# Altium PCB PCBDesign.PcbDoc (part 1 of 8) (continued)
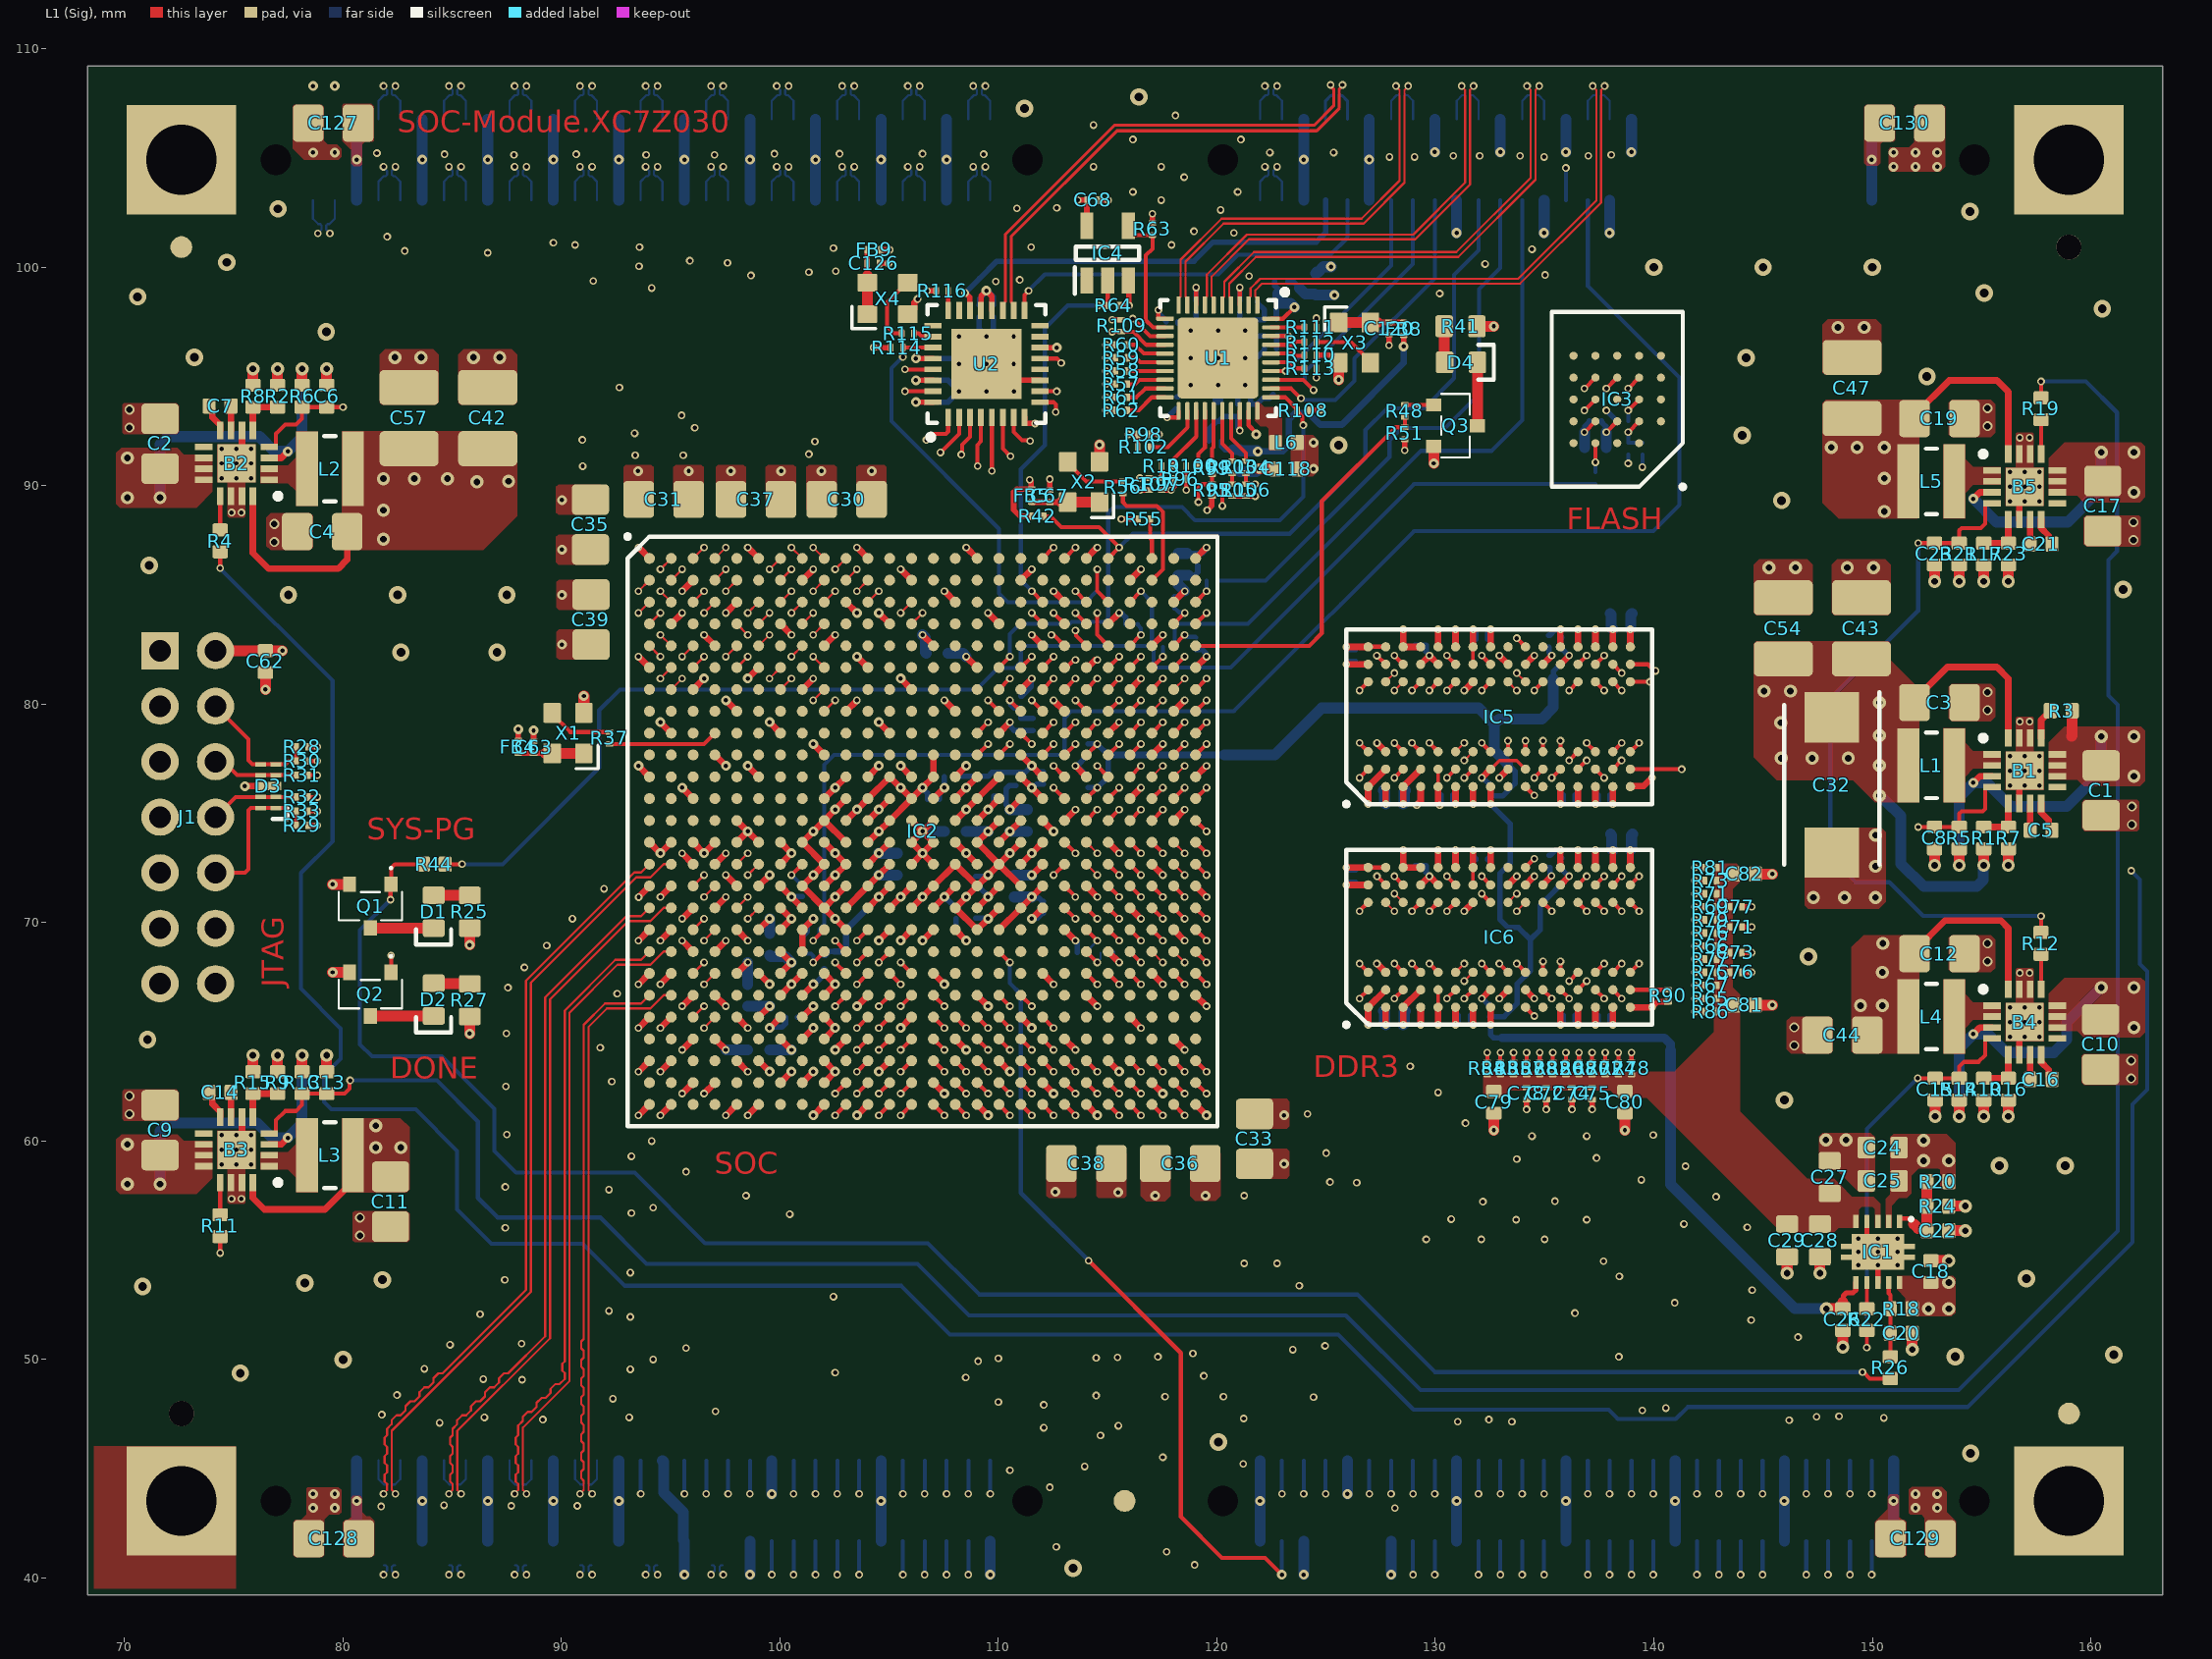
[diagram p0: L1 (Sig) view]
## Classes and differential pairs (continued)
differential pair MGT_TX_2: +MGT_TX_2_P -MGT_TX_2_N
differential pair MGT_TX_1: +MGT_TX_1_P -MGT_TX_1_N
differential pair MGT_TX_0: +MGT_TX_0_P -MGT_TX_0_N
differential pair MGT_RX_3: +MGT_RX_3_P -MGT_RX_3_N
differential pair MGT_RX_2: +MGT_RX_2_P -MGT_RX_2_N
differential pair MGT_RX_1: +MGT_RX_1_P -MGT_RX_1_N
differential pair MGT_RX_0: +MGT_RX_0_P -MGT_RX_0_N
differential pair MGT_REFCLK_1: +MGT_REFCLK_1_P -MGT_REFCLK_1_N
differential pair MGT_REFCLK_0: +MGT_REFCLK_0_P -MGT_REFCLK_0_N
differential pair ETH_MDI3: +ETH_MDI3_P -ETH_MDI3_N
differential pair ETH_MDI2: +ETH_MDI2_P -ETH_MDI2_N
differential pair ETH_MDI1: +ETH_MDI1_P -ETH_MDI1_N
differential pair ETH_MDI0: +ETH_MDI0_P -ETH_MDI0_N
differential pair DDR_DQS3: +DDR_DQS3_P -DDR_DQS3_N
differential pair DDR_DQS2: +DDR_DQS2_P -DDR_DQS2_N
differential pair DDR_DQS1: +DDR_DQS1_P -DDR_DQS1_N
differential pair DDR_DQS0: +DDR_DQS0_P -DDR_DQS0_N
differential pair DDR_CK: +DDR_CK_P -DDR_CK_N

## Components (designator, comment, footprint, x,y, rotation, side; value= is the part's Value field where it differs from the comment)
B1 "TLV62095RGTR" QFN50P300X300X100-17N-D 156.975,76.95 r0 top
B2 "TLV62095RGTR" QFN50P300X300X100-17N-D 75.125,91.025 r180 top
B3 "TLV62095RGTR" QFN50P300X300X100-17N-D 75.125,59.6 r180 top
B4 "TLV62095RGTR" QFN50P300X300X100-17N-D 156.975,65.45 r0 top
B5 "TLV62095RGTR" QFN50P300X300X100-17N-D 156.975,89.95 r0 top
C1 "47u" CAP_0805 160.475,76.05 r90 top
C2 "47u" CAP_0805 71.625,91.925 r270 top
C3 "47u" CAP_0805 153.075,80.075 r180 top
C4 "47u" CAP_0805 79.05,87.9 r0 top
C5 "10p" CAP_0402 157.725,74.225 r180 top
C6 "100n" CAP_0402 79.25,94.1 r270 top
C7 "10p" CAP_0402 74.375,93.65 r0 top
C8 "100n" CAP_0402 152.85,73.875 r90 top
C9 "47u" CAP_0805 71.625,60.5 r270 top
C10 "47u" CAP_0805 160.45,64.425 r90 top
C11 "47u" CAP_0805 82.175,57.225 r90 top
C12 "47u" CAP_0805 153.075,68.575 r180 top
C13 "100n" CAP_0402 79.25,62.675 r270 top
C14 "10p" CAP_0402 74.375,62.225 r0 top
C15 "100n" CAP_0402 152.875,62.375 r90 top
C16 "10p" CAP_0402 157.725,62.825 r180 top
C17 "47u" CAP_0805 160.55,89.075 r90 top
C18 "4u7" CAP_0402 152.675,54.025 r270 top
C19 "47u" CAP_0805 153.075,93.075 r180 top
C20 "100n" CAP_0402 151.325,51.2 r180 top
C21 "10p" CAP_0402 157.725,87.325 r180 top
C22 "100n" CAP_0402 153,55.9 r180 top
C23 "100n" CAP_0402 152.85,86.875 r90 top
C24 "10u" CAP_0603 150.475,59.7 r0 top
C25 "10u" CAP_0603 150.475,58.175 r0 top
C26 "100n" CAP_0402 148.65,51.825 r90 top
C27 "10u" CAP_0603 148.05,58.35 r270 top
C28 "10u" CAP_0603 147.6,55.45 r90 top
C29 "10u" CAP_0603 146.1,55.45 r90 top
C30 "47u" CAP_0805 103.05,89.375 r180 top
C31 "47u" CAP_0805 94.675,89.375 r0 top
C32 "TAJD337K010RNJ" CAPPM7344X310N 148.15,76.3 r270 top
C33 "47u" CAP_0805 121.725,60.1 r270 top
C34 "4u7" CAP_0402 105.375,72.675 r90 bottom
C35 "47u" CAP_0805 91.325,88.225 r270 top
C36 "47u" CAP_0805 118.325,58.975 r0 top
C37 "47u" CAP_0805 98.9,89.375 r180 top
C38 "47u" CAP_0805 114.025,58.975 r180 top
C39 "47u" CAP_0805 91.35,83.875 r270 top
C40 "470n" CAP_0201 112.05,70.7 r270 bottom
C41 "4u7" CAP_0402 110.725,71.675 r90 bottom
C42 "100u" CAP_1210 86.625,93.1 r270 top
C43 "100u" CAP_1210 149.5,83.475 r270 top
C44 "47u" CAP_0805 148.625,64.85 r0 top
C45 "470n" CAP_0201 119.125,86.625 r90 bottom
C46 "4u7" CAP_0402 118.225,86.4 r90 bottom
C47 "100u" CAP_1210 149.075,94.475 r270 top
C48 "470n" CAP_0201 108.05,70.45 r270 bottom
C49 "4u7" CAP_0402 111.325,74.675 r90 bottom
C50 "470n" CAP_0201 110.075,75.8 r0 bottom
C51 "470n" CAP_0201 108.95,70.475 r270 bottom
C52 "470n" CAP_0201 108.95,71.85 r90 bottom
C53 "4u7" CAP_0402 108.025,74.175 r0 bottom
C54 "100u" CAP_1210 145.925,83.475 r270 top
C55 "470n" CAP_0201 112.05,76.625 r90 bottom
C56 "4u7" CAP_0402 107.2,82.325 r180 bottom
C57 "100u" CAP_1210 83.025,93.1 r270 top
C58 "470n" CAP_0201 107.025,75.65 r0 bottom
C59 "4u7" CAP_0402 98.525,66.675 r270 bottom
C60 "4u7" CAP_0402 99.025,64.175 r180 bottom
C61 "4u7" CAP_0402 99.525,69 r90 bottom
C62 "100n" CAP_0402 76.45,81.95 r90 top
C63 "100n" CAP_0201 88.725,78.025 r90 top
C64 "100n" CAP_0201 111.575,79.075 r270 bottom
C65 "470n" CAP_0201 137.325,92.975 r180 bottom
C66 "4u7" CAP_0402 137.325,91.75 r180 bottom
C67 "100n" CAP_0201 112.35,89.525 r90 top
C68 "470n" CAP_0201 114.325,103.075 r180 top
C69 "47n" CAP_0201 114.1,76.45 r270 bottom
C70 "47n" CAP_0201 114.1,77.9 r90 bottom
C71 "47n" CAP_0201 143.75,69.8 r180 top
C72 "47n" CAP_0201 135.075,62.175 r90 top
C73 "47n" CAP_0201 143.75,68.625 r180 top
C74 "47n" CAP_0201 136.25,62.175 r90 top
C75 "470n" CAP_0201 137.175,62.175 r90 top
C76 "470n" CAP_0201 143.75,67.725 r180 top
C77 "470n" CAP_0201 143.75,70.725 r180 top
C78 "470n" CAP_0201 134.175,62.175 r90 top
C79 "4u7" CAP_0402 132.675,61.775 r90 top
C80 "4u7" CAP_0402 138.675,61.775 r90 top
C81 "4u7" CAP_0402 144.15,66.225 r180 top
C82 "4u7" CAP_0402 144.15,72.225 r180 top
C83 "47n" CAP_0201 132.5,76.075 r90 bottom
C84 "47n" CAP_0201 135.775,82.775 r270 bottom
C85 "4u7" CAP_0402 128.125,76.05 r0 bottom
C86 "4u7" CAP_0402 138.5,84.15 r180 bottom
C87 "470n" CAP_0201 129.85,82.7 r0 bottom
C88 "470n" CAP_0201 130.525,75.85 r0 bottom
C89 "470n" CAP_0201 136.125,75.85 r0 bottom
C90 "470n" CAP_0201 137.725,75.85 r0 bottom
C91 "470n" CAP_0201 128.8,82.7 r180 bottom
C92 "470n" CAP_0201 132.125,82.975 r0 bottom
C93 "470n" CAP_0201 126.35,82.225 r270 bottom
C94 "47n" CAP_0201 132.475,65.975 r90 bottom
C95 "47n" CAP_0201 135.775,72.675 r270 bottom
C96 "4u7" CAP_0402 138.525,74.05 r180 bottom
C97 "4u7" CAP_0402 128.125,65.95 r0 bottom
C98 "470n" CAP_0201 132.125,72.875 r0 bottom
C99 "470n" CAP_0201 131.325,65.75 r180 bottom
C100 "470n" CAP_0201 129.85,72.6 r0 bottom
C101 "470n" CAP_0201 126.35,72.125 r270 bottom
C102 "470n" CAP_0201 128.8,72.6 r180 bottom
C103 "470n" CAP_0201 136.125,65.75 r0 bottom
C104 "470n" CAP_0201 137.725,65.75 r0 bottom
C105 "4u7" CAP_0402 122.575,93.675 r270 bottom
C106 "100n" CAP_0201 121.55,93.45 r270 bottom
C107 "100n" CAP_0201 121.05,98.2 r90 bottom
C108 "100n" CAP_0201 119.05,98.2 r90 bottom
C109 "100n" CAP_0201 122.45,96.85 r0 bottom
C110 "100n" CAP_0201 122.447,97.652 r180 bottom
C111 "100n" CAP_0201 117.95,97.5 r0 bottom
C112 "4u7" CAP_0402 122.35,98.45 r0 bottom
C113 "4u7" CAP_0402 124.525,99.225 r270 bottom
C114 "4u7" CAP_0402 121.05,91.15 r90 bottom
C115 "4u7" CAP_0402 120.05,93.45 r270 bottom
C116 "100n" CAP_0201 120.95,93.45 r270 bottom
C117 "100n" CAP_0201 118.175,93.8 r270 bottom
C118 "4u7" CAP_0402 123.175,90.775 r0 top
C119 "100n" CAP_0201 122.45,96.275 r180 bottom
C120 "100n" CAP_0201 127.875,97.2 r270 top
C121 "100n" CAP_0201 109.775,98 r90 bottom
C122 "100n" CAP_0201 109.125,98 r90 bottom
C123 "100n" CAP_0201 107.025,93.825 r180 bottom
C124 "100n" CAP_0201 107.025,94.825 r180 bottom
C125 "100n" CAP_0201 107.025,95.825 r180 bottom
C126 "100n" CAP_0201 104.275,100.175 r180 top
C127 "47u" CAP_0805 79.55,106.6 r180 top
C128 "47u" CAP_0805 79.575,41.8 r180 top
C129 "47u" CAP_0805 151.975,41.8 r0 top
C130 "47u" CAP_0805 151.475,106.6 r0 top
D1 "GREEN" LED_0603_GREEN 84.15,70.5 r90 top
D2 "GREEN" LED_0603_GREEN 84.15,66.475 r90 top
D3 "SP3420-04UTG" uDFN-10 76.575,76.25 r90 top
D4 "GREEN" LED_0603_GREEN 131.175,95.65 r180 top
FB1 "120R @ 100 MHz" IND_0201 110.8,76.575 r270 bottom
FB2 "120R @ 100 MHz" IND_0201 107.825,76.7 r180 bottom
FB3 "120R @ 100 MHz" IND_0201 102.025,68.2 r270 bottom
FB4 "120R @ 100 MHz" IND_0201 88.025,78.05 r270 top
FB5 "120R @ 100 MHz" IND_0201 111.525,89.55 r270 top
FB6 "120R @ 100 MHz" IND_0201 122.95,99.35 r0 bottom
FB7 "120R @ 100 MHz" IND_0201 119.925,92.05 r180 bottom
FB8 "120R @ 100 MHz" IND_0201 128.55,97.175 r90 top
FB9 "120R @ 100 MHz" IND_0201 104.3,100.8 r0 top
IC1 "TPS51200AQDRCRQ1" TPS51200AQDRCRQ1 150.25,54.925 r270 top
IC2 "XC7Z030-2FFG676I" BGA676C100P26X26_2700X2700X324 106.525,74.175 r0 top locked
IC3 "MT25QL128ABA8E12-0SIT" BGA24C100P5X5_600X800X120 138.325,93.95 r180 top
IC4 "SN74LVC1G07DBVT" SOT95P280X145-5N 115,100.646 r90 top
IC5 "MT41K256M16TW-107 IT:P" BGA96C80P9X16_800X1400X120 132.925,79.425 r90 top locked
IC6 "MT41K256M16TW-107 IT:P" BGA96C80P9X16_800X1400X120 132.925,69.325 r90 top locked
J1 "JTAG-14Pin-TH" 14Pin-TH 67.225,66.43 r0 top
J2 "71436-2164" 714362164 137.475,104.925 r180 bottom locked
J3 "71436-2164" 714362164 137.475,43.525 r180 bottom locked
J4 "71436-2164" 714362164 94.125,104.925 r180 bottom locked
J5 "71436-2164" 714362164 94.125,43.525 r180 bottom locked
L1 "VLS3012HBX-1R0M" VLS3012 152.7,77.2 r180 top
L2 "VLS3012HBX-1R0M" VLS3012 79.4,90.775 r0 top
L3 "VLS3012HBX-1R0M" VLS3012 79.4,59.35 r0 top
L4 "VLS3012HBX-1R0M" VLS3012 152.7,65.7 r180 top
L5 "VLS3012HBX-1R0M" VLS3012 152.7,90.2 r180 top
L6 "3u3" IND_0402 123.175,91.975 r0 top
Q1 "T2N7002AK,LM" TBAT54CLM 81.25,70.75 r180 top
Q2 "T2N7002AK,LM" TBAT54CLM 81.25,66.725 r180 top
Q3 "T2N7002AK,LM" TBAT54CLM 130.925,92.75 r270 top
R1 "40k2" RES_0402 155.1,73.875 r270 top
R2 "200k" RES_0402 77,94.1 r90 top
R3 "10k" RES_0402 158.65,79.7 r180 top
R4 "0R" RES_0402 74.375,87.475 r270 top
R5 "500k" RES_0402 153.975,73.875 r90 top
R6 "500k" RES_0402 78.125,94.1 r270 top
R7 "160k" RES_0402 156.225,73.875 r90 top
R8 "160k" RES_0402 75.875,94.1 r270 top
R9 "80k6" RES_0402 77,62.675 r90 top
R10 "110k" RES_0402 155.1,62.375 r270 top
R11 "0R" RES_0402 74.375,56.125 r270 top
R12 "0R" RES_0402 157.725,69.05 r90 top
R13 "500k" RES_0402 78.125,62.675 r270 top
R14 "500k" RES_0402 153.975,62.375 r90 top
R15 "160k" RES_0402 75.875,62.675 r270 top
R16 "160k" RES_0402 156.225,62.375 r90 top
R17 "500k" RES_0402 155.1,86.875 r270 top
R18 "100k" RES_0402 151.325,52.325 r0 top
R19 "0R" RES_0402 157.725,93.525 r90 top
R20 "10k" RES_0402 153,58.15 r0 top
R21 "500k" RES_0402 153.975,86.875 r90 top
R22 "0R" RES_0402 149.75,51.825 r90 top
R23 "160k" RES_0402 156.225,86.875 r90 top
R24 "10k" RES_0402 153,57.025 r180 top
R25 "510R" RES_0603 85.8,70.5 r270 top
R26 "0R" RES_0402 150.825,49.625 r90 top
R27 "510R" RES_0603 85.8,66.45 r270 top
R28 "4k7" RES_0201 78.125,78.05 r0 top
R29 "4k7" RES_0201 78.125,74.45 r0 top
R30 "22R" RES_0201 78.125,77.4 r0 top
R31 "22R" RES_0201 78.125,76.75 r0 top
R32 "22R" RES_0201 78.125,75.75 r0 top
R33 "22R" RES_0201 78.125,75.1 r0 top
R34 "4k7" RES_0201 101.025,71.475 r270 bottom
R35 "4k7" RES_0201 101.025,68.85 r90 bottom
R36 "4k7" RES_0201 101.525,69.65 r180 bottom
R37 "22R" RES_0201 92.2,78.45 r270 top
R38 "100R" RES_0201 100.525,65.675 r180 bottom
R39 "10k" RES_0201 111.025,80.1 r270 bottom
R40 "10k" RES_0201 111.025,79.075 r270 bottom
R41 "510R" RES_0603 131.15,97.3 r0 top
R42 "4k7" RES_0201 111.8,88.6 r180 top
R43 "10k" RES_0201 138.825,91.7 r90 bottom
R44 "0R" RES_0402 84.175,72.675 r0 top
R45 "22R" RES_0201 139.475,91.7 r270 bottom
R46 "4k7" RES_0201 138.55,92.95 r180 bottom
R47 "22R" RES_0201 137.325,90.35 r270 bottom
R48 "10k" RES_0201 128.6,93.425 r270 top
R49 "10k" RES_0201 119.05,82.775 r90 bottom
R50 "10k" RES_0201 118.05,84.65 r270 bottom
R51 "100k" RES_0201 128.6,92.4 r90 top
R52 "10k" RES_0201 117.8,82.625 r180 bottom
R53 "10k" RES_0201 119.8,85.65 r180 bottom
R54 "10k" RES_0201 116.1,83.675 r0 bottom
R55 "10k" RES_0201 116.675,88.475 r0 top
R56 "22R" RES_0201 115.7,89.925 r270 top
R57 "22R" RES_0201 115.625,94.65 r180 top
R58 "22R" RES_0201 115.625,95.25 r180 top
R59 "22R" RES_0201 115.625,95.85 r180 top
R60 "22R" RES_0201 115.625,96.45 r180 top
R61 "22R" RES_0201 115.625,94.05 r180 top
R62 "22R" RES_0201 115.625,93.45 r180 top
R63 "4k7" RES_0201 117.05,101.75 r90 top
R64 "100k" RES_0201 115.275,98.25 r180 top
R65 "49R9" RES_0201 142.6,66.525 r180 top
R66 "49R9" RES_0201 142.6,68.925 r180 top
R67 "49R9" RES_0201 142.6,67.125 r180 top
R68 "49R9" RES_0201 136.575,63.325 r90 top
R69 "49R9" RES_0201 142.6,70.725 r180 top
R70 "49R9" RES_0201 137.175,63.325 r90 top
R71 "49R9" RES_0201 142.6,71.325 r180 top
R72 "49R9" RES_0201 137.775,63.325 r90 top
R73 "49R9" RES_0201 142.6,71.925 r180 top
R74 "49R9" RES_0201 138.375,63.325 r90 top
R75 "49R9" RES_0201 142.6,67.725 r180 top
R76 "49R9" RES_0201 142.6,69.525 r180 top
R77 "49R9" RES_0201 142.6,68.325 r180 top
R78 "49R9" RES_0201 138.975,63.325 r90 top
R79 "49R9" RES_0201 142.6,70.125 r180 top
R80 "49R9" RES_0201 135.975,63.325 r90 top
R81 "49R9" RES_0201 142.6,72.525 r180 top
R82 "49R9" RES_0201 135.375,63.325 r90 top
R83 "49R9" RES_0201 132.975,63.325 r90 top
R84 "49R9" RES_0201 132.375,63.325 r90 top
R85 "49R9" RES_0201 133.575,63.325 r90 top
R86 "49R9" RES_0201 142.6,65.925 r180 top
R87 "49R9" RES_0201 134.175,63.325 r90 top
R88 "49R9" RES_0201 134.775,63.325 r90 top
R89 "100R" RES_0201 133.725,70.925 r90 bottom
R90 "4k7" RES_0201 140.65,66.65 r90 top
R91 "100R" RES_0201 114.95,68.625 r0 bottom
R92 "100R" RES_0201 113.875,68.625 r0 bottom
R93 "240R" RES_0201 135.175,82.875 r270 bottom
R94 "240R" RES_0201 135.2,72.8 r270 bottom
R95 "4k7" RES_0201 119.775,89.8 r90 top
R96 "4k7" RES_0201 118.325,90.3 r0 top
R97 "4k7_DNP" RES_0201 117.475,90.075 r90 top
R98 "4k7" RES_0201 116.65,92.35 r180 top
R99 "22R" RES_0201 119.775,90.8 r270 top
R100 "22R" RES_0201 118.875,90.9 r180 top
R101 "22R" RES_0201 117.75,90.9 r180 top
R102 "22R" RES_0201 116.65,91.775 r180 top
R103 "22R" RES_0201 120.7,90.85 r270 top
R104 "22R" RES_0201 121.325,90.85 r270 top
R105 "1k" RES_0201 120.7,89.8 r270 top
R106 "1k" RES_0201 121.325,89.8 r270 top
R107 "1k" RES_0201 116.9,90.075 r270 top
R108 "1k" RES_0201 123.95,93.45 r180 top
R109 "1k" RES_0201 115.625,97.325 r270 top
R110 "22R" RES_0201 124.275,95.975 r180 top
R111 "2k49" RES_0201 124.275,97.25 r180 top
R112 "22R" RES_0201 124.275,96.575 r180 top
R113 "22R" RES_0201 124.275,95.375 r180 top
R114 "1k" RES_0201 105.35,96.325 r0 top
R115 "22R" RES_0201 105.85,96.975 r0 top
R116 "8k06" RES_0201 107.425,98.925 r0 top
U1 "RTL8211F-CG" QFN-40-0.4-EP 120.05,95.85 r270 top
U2 "USB3320C-EZK-TR" QFN-32-5x5x0.85mm 109.45,95.575 r90 top
X1 "SX2M13.000M20F30TNN" XTAL_2520 90.3,78.675 r90 top
X2 "SX2M13.000M20F30TNN" XTAL_2520 113.9,90.175 r90 top locked
X3 "ECS-2520MV-250-BN-TR" XTAL_2520 126.3,96.55 r270 top
X4 "SX2M13.000M20F30TNN" XTAL_2520 104.925,98.575 r0 top

## Footprints (in the part's own frame and the unit in brackets; to place one, negate y for a bottom-side part, rotate by r counter-clockwise, add the part's x,y. Pads: shape width x height; smd on the part's side, far side on the other; paste and mask are expansions set on the pad)
14Pin-TH [mm]
  rect 1.7x1.7 hole 1: 1(4.4,16.015)
  round 1.7 hole 1: 2(6.94,16.015) 3(4.4,13.475) 4(6.94,13.475) 5(4.4,10.935) 6(6.94,10.935) 7(4.4,8.395) 8(6.94,8.395) 9(4.4,5.855) 10(6.94,5.855) 11(4.4,3.315) 12(6.94,3.315) 13(4.4,0.775) 14(6.94,0.775)
714362164 [mm]
  rect 0.6x2.3 smd mask+0.03: 1(-15.5,-1.85) 2(-15.5,1.85) 3(-14.5,-1.85) 4(-14.5,1.85) 5(-13.5,-1.85) 6(-13.5,1.85) 7(-12.5,-1.85) 8(-12.5,1.85) 9(-11.5,-1.85) 10(-11.5,1.85) 11(-10.5,-1.85) 12(-10.5,1.85) 13(-9.5,-1.85) 14(-9.5,1.85) 15(-8.5,-1.85) 16(-8.5,1.85) 17(-7.5,-1.85) 18(-7.5,1.85) 19(-6.5,-1.85) 20(-6.5,1.85) 21(-5.5,-1.85) 22(-5.5,1.85) 23(-4.5,-1.85) 24(-4.5,1.85) 25(-3.5,-1.85) 26(-3.5,1.85) 27(-2.5,-1.85) 28(-2.5,1.85) 29(-1.5,-1.85) 30(-1.5,1.85) 31(-0.5,-1.85) 32(-0.5,1.85) 33(0.5,-1.85) 34(0.5,1.85) 35(1.5,-1.85) 36(1.5,1.85) 37(2.5,-1.85) 38(2.5,1.85) 39(3.5,-1.85) 40(3.5,1.85) 41(4.5,-1.85) 42(4.5,1.85) 43(5.5,-1.85) 44(5.5,1.85) 45(6.5,-1.85) 46(6.5,1.85) 47(7.5,-1.85) 48(7.5,1.85) 49(8.5,-1.85) 50(8.5,1.85) 51(9.5,-1.85) 52(9.5,1.85) 53(10.5,-1.85) 54(10.5,1.85) 55(11.5,-1.85) 56(11.5,1.85) 57(12.5,-1.85) 58(12.5,1.85) 59(13.5,-1.85) 60(13.5,1.85) 61(14.5,-1.85) 62(14.5,1.85) 63(15.5,-1.85) 64(15.5,1.85)
  round 0.7 hole 1.4 unplated: MH1(-17.2,0) MH2(17.2,0)
  silkscreen extent -17.95,-3.3 17.95,3.3, body extent -17.95,-3.05 17.95,3.05, height 8.27
BGA24C100P5X5_600X800X120 [mm]
  round 0.37 smd mask+0.03: A2(-1,2) A3(0,2) A4(1,2) A5(2,2) B1(-2,1) B2(-1,1) B3(0,1) B4(1,1) B5(2,1) C1(-2,0) C2(-1,0) C3(0,0) C4(1,0) C5(2,0) D1(-2,-1) D2(-1,-1) D3(0,-1) D4(1,-1) D5(2,-1) E1(-2,-2) E2(-1,-2) E3(0,-2) E4(1,-2) E5(2,-2)
  silkscreen extent -3.1,-4 3,4.1, body extent -3,-4 3,4, height 1.2
BGA96C80P9X16_800X1400X120 [mm]
  round 0.426 smd mask+0.03: A1(-3.2,6) A2(-2.4,6) A3(-1.6,6) A7(1.6,6) A8(2.4,6) A9(3.2,6) B1(-3.2,5.2) B2(-2.4,5.2) B3(-1.6,5.2) B7(1.6,5.2) B8(2.4,5.2) B9(3.2,5.2) C1(-3.2,4.4) C2(-2.4,4.4) C3(-1.6,4.4) C7(1.6,4.4) C8(2.4,4.4) C9(3.2,4.4) D1(-3.2,3.6) D2(-2.4,3.6) D3(-1.6,3.6) D7(1.6,3.6) D8(2.4,3.6) D9(3.2,3.6) E1(-3.2,2.8) E2(-2.4,2.8) E3(-1.6,2.8) E7(1.6,2.8) E8(2.4,2.8) E9(3.2,2.8) F1(-3.2,2) F2(-2.4,2) F3(-1.6,2) F7(1.6,2) F8(2.4,2) F9(3.2,2) G1(-3.2,1.2) G2(-2.4,1.2) G3(-1.6,1.2) G7(1.6,1.2) G8(2.4,1.2) G9(3.2,1.2) H1(-3.2,0.4) H2(-2.4,0.4) H3(-1.6,0.4) H7(1.6,0.4) H8(2.4,0.4) H9(3.2,0.4) J1(-3.2,-0.4) J2(-2.4,-0.4) J3(-1.6,-0.4) J7(1.6,-0.4) J8(2.4,-0.4) J9(3.2,-0.4) K1(-3.2,-1.2) K2(-2.4,-1.2) K3(-1.6,-1.2) K7(1.6,-1.2) K8(2.4,-1.2) K9(3.2,-1.2) L1(-3.2,-2) L2(-2.4,-2) L3(-1.6,-2) L7(1.6,-2) L8(2.4,-2) L9(3.2,-2) M1(-3.2,-2.8) M2(-2.4,-2.8) M3(-1.6,-2.8) M7(1.6,-2.8) M8(2.4,-2.8) M9(3.2,-2.8) N1(-3.2,-3.6) N2(-2.4,-3.6) N3(-1.6,-3.6) N7(1.6,-3.6) N8(2.4,-3.6) N9(3.2,-3.6) P1(-3.2,-4.4) P2(-2.4,-4.4) P3(-1.6,-4.4) P7(1.6,-4.4) P8(2.4,-4.4) P9(3.2,-4.4) R1(-3.2,-5.2) R2(-2.4,-5.2) R3(-1.6,-5.2) R7(1.6,-5.2) R8(2.4,-5.2) R9(3.2,-5.2) T1(-3.2,-6) T2(-2.4,-6) T3(-1.6,-6) T7(1.6,-6) T8(2.4,-6) T9(3.2,-6)
  silkscreen extent -4.1,-7 4,7.1, body extent -4,-7 4,7, height 1.2
BGA676C100P26X26_2700X2700X324 [mm]
  round 0.5 smd mask+0.03: A1(-12.5,12.5) A2(-11.5,12.5) A3(-10.5,12.5) A4(-9.5,12.5) A5(-8.5,12.5) A6(-7.5,12.5) A7(-6.5,12.5) A8(-5.5,12.5) A9(-4.5,12.5) A10(-3.5,12.5) A11(-2.5,12.5) A12(-1.5,12.5) A13(-0.5,12.5) A14(0.5,12.5) A15(1.5,12.5) A16(2.5,12.5) A17(3.5,12.5) A18(4.5,12.5) A19(5.5,12.5) A20(6.5,12.5) A21(7.5,12.5) A22(8.5,12.5) A23(9.5,12.5) A24(10.5,12.5) A25(11.5,12.5) A26(12.5,12.5) AA1(-12.5,-7.5) AA2(-11.5,-7.5) AA3(-10.5,-7.5) AA4(-9.5,-7.5) AA5(-8.5,-7.5) AA6(-7.5,-7.5) AA7(-6.5,-7.5) AA8(-5.5,-7.5) AA9(-4.5,-7.5) AA10(-3.5,-7.5) AA11(-2.5,-7.5) AA12(-1.5,-7.5) AA13(-0.5,-7.5) AA14(0.5,-7.5) AA15(1.5,-7.5) AA16(2.5,-7.5) AA17(3.5,-7.5) AA18(4.5,-7.5) AA19(5.5,-7.5) AA20(6.5,-7.5) AA21(7.5,-7.5) AA22(8.5,-7.5) AA23(9.5,-7.5) AA24(10.5,-7.5) AA25(11.5,-7.5) AA26(12.5,-7.5) AB1(-12.5,-8.5) AB2(-11.5,-8.5) AB3(-10.5,-8.5) AB4(-9.5,-8.5) AB5(-8.5,-8.5) AB6(-7.5,-8.5) AB7(-6.5,-8.5) AB8(-5.5,-8.5) AB9(-4.5,-8.5) AB10(-3.5,-8.5) AB11(-2.5,-8.5) AB12(-1.5,-8.5) AB13(-0.5,-8.5) AB14(0.5,-8.5) AB15(1.5,-8.5) AB16(2.5,-8.5) AB17(3.5,-8.5) AB18(4.5,-8.5) AB19(5.5,-8.5) AB20(6.5,-8.5) AB21(7.5,-8.5) AB22(8.5,-8.5) AB23(9.5,-8.5) AB24(10.5,-8.5) AB25(11.5,-8.5) AB26(12.5,-8.5) AC1(-12.5,-9.5) AC2(-11.5,-9.5) AC3(-10.5,-9.5) AC4(-9.5,-9.5) AC5(-8.5,-9.5) AC6(-7.5,-9.5) AC7(-6.5,-9.5) AC8(-5.5,-9.5) AC9(-4.5,-9.5) AC10(-3.5,-9.5) AC11(-2.5,-9.5) AC12(-1.5,-9.5) AC13(-0.5,-9.5) AC14(0.5,-9.5) AC15(1.5,-9.5) AC16(2.5,-9.5) AC17(3.5,-9.5) AC18(4.5,-9.5) AC19(5.5,-9.5) AC20(6.5,-9.5) AC21(7.5,-9.5) AC22(8.5,-9.5) AC23(9.5,-9.5) AC24(10.5,-9.5) AC25(11.5,-9.5) AC26(12.5,-9.5) AD1(-12.5,-10.5) AD2(-11.5,-10.5) AD3(-10.5,-10.5) AD4(-9.5,-10.5) AD5(-8.5,-10.5) AD6(-7.5,-10.5) AD7(-6.5,-10.5) AD8(-5.5,-10.5) AD9(-4.5,-10.5) AD10(-3.5,-10.5) AD11(-2.5,-10.5) AD12(-1.5,-10.5) AD13(-0.5,-10.5) AD14(0.5,-10.5) AD15(1.5,-10.5) AD16(2.5,-10.5) AD17(3.5,-10.5) AD18(4.5,-10.5) AD19(5.5,-10.5) AD20(6.5,-10.5) AD21(7.5,-10.5) AD22(8.5,-10.5) AD23(9.5,-10.5) AD24(10.5,-10.5) AD25(11.5,-10.5) AD26(12.5,-10.5) AE1(-12.5,-11.5) AE2(-11.5,-11.5) AE3(-10.5,-11.5) AE4(-9.5,-11.5) AE5(-8.5,-11.5) AE6(-7.5,-11.5) AE7(-6.5,-11.5) AE8(-5.5,-11.5) AE9(-4.5,-11.5) AE10(-3.5,-11.5) AE11(-2.5,-11.5) AE12(-1.5,-11.5) AE13(-0.5,-11.5) AE14(0.5,-11.5) AE15(1.5,-11.5) AE16(2.5,-11.5) AE17(3.5,-11.5) AE18(4.5,-11.5) AE19(5.5,-11.5) AE20(6.5,-11.5) AE21(7.5,-11.5) AE22(8.5,-11.5) AE23(9.5,-11.5) AE24(10.5,-11.5) AE25(11.5,-11.5) AE26(12.5,-11.5) AF1(-12.5,-12.5) AF2(-11.5,-12.5) AF3(-10.5,-12.5) AF4(-9.5,-12.5) AF5(-8.5,-12.5) AF6(-7.5,-12.5) AF7(-6.5,-12.5) AF8(-5.5,-12.5) AF9(-4.5,-12.5) AF10(-3.5,-12.5) AF11(-2.5,-12.5) AF12(-1.5,-12.5) AF13(-0.5,-12.5) AF14(0.5,-12.5) AF15(1.5,-12.5) AF16(2.5,-12.5) AF17(3.5,-12.5) AF18(4.5,-12.5) AF19(5.5,-12.5) AF20(6.5,-12.5) AF21(7.5,-12.5) AF22(8.5,-12.5) AF23(9.5,-12.5) AF24(10.5,-12.5) AF25(11.5,-12.5) AF26(12.5,-12.5) B1(-12.5,11.5) B2(-11.5,11.5) B3(-10.5,11.5) B4(-9.5,11.5) B5(-8.5,11.5) B6(-7.5,11.5) B7(-6.5,11.5) B8(-5.5,11.5) B9(-4.5,11.5) B10(-3.5,11.5) B11(-2.5,11.5) B12(-1.5,11.5) B13(-0.5,11.5) B14(0.5,11.5) B15(1.5,11.5) B16(2.5,11.5) B17(3.5,11.5) B18(4.5,11.5) B19(5.5,11.5) B20(6.5,11.5) B21(7.5,11.5) B22(8.5,11.5) B23(9.5,11.5) B24(10.5,11.5) B25(11.5,11.5) B26(12.5,11.5) C1(-12.5,10.5) C2(-11.5,10.5) C3(-10.5,10.5) C4(-9.5,10.5) C5(-8.5,10.5) C6(-7.5,10.5) C7(-6.5,10.5) C8(-5.5,10.5) C9(-4.5,10.5) C10(-3.5,10.5) C11(-2.5,10.5) C12(-1.5,10.5) C13(-0.5,10.5) C14(0.5,10.5) C15(1.5,10.5) C16(2.5,10.5) C17(3.5,10.5) C18(4.5,10.5) C19(5.5,10.5) C20(6.5,10.5) C21(7.5,10.5) C22(8.5,10.5) C23(9.5,10.5) C24(10.5,10.5) C25(11.5,10.5) C26(12.5,10.5) D1(-12.5,9.5) D2(-11.5,9.5) D3(-10.5,9.5) D4(-9.5,9.5) D5(-8.5,9.5) D6(-7.5,9.5) D7(-6.5,9.5) D8(-5.5,9.5) D9(-4.5,9.5) D10(-3.5,9.5) D11(-2.5,9.5) D12(-1.5,9.5) D13(-0.5,9.5) D14(0.5,9.5) D15(1.5,9.5) D16(2.5,9.5) D17(3.5,9.5) D18(4.5,9.5) D19(5.5,9.5) D20(6.5,9.5) D21(7.5,9.5) D22(8.5,9.5) D23(9.5,9.5) D24(10.5,9.5) D25(11.5,9.5) D26(12.5,9.5) E1(-12.5,8.5) E2(-11.5,8.5) E3(-10.5,8.5) E4(-9.5,8.5) E5(-8.5,8.5) E6(-7.5,8.5) E7(-6.5,8.5) E8(-5.5,8.5) E9(-4.5,8.5) E10(-3.5,8.5) E11(-2.5,8.5) E12(-1.5,8.5) E13(-0.5,8.5) E14(0.5,8.5) E15(1.5,8.5) E16(2.5,8.5) E17(3.5,8.5) E18(4.5,8.5) E19(5.5,8.5) E20(6.5,8.5) E21(7.5,8.5) E22(8.5,8.5) E23(9.5,8.5) E24(10.5,8.5) E25(11.5,8.5) E26(12.5,8.5) F1(-12.5,7.5) F2(-11.5,7.5) F3(-10.5,7.5) F4(-9.5,7.5) F5(-8.5,7.5) F6(-7.5,7.5) F7(-6.5,7.5) F8(-5.5,7.5) F9(-4.5,7.5) F10(-3.5,7.5) F11(-2.5,7.5) F12(-1.5,7.5) F13(-0.5,7.5) F14(0.5,7.5) F15(1.5,7.5) F16(2.5,7.5) F17(3.5,7.5) F18(4.5,7.5) F19(5.5,7.5) F20(6.5,7.5) F21(7.5,7.5) F22(8.5,7.5) F23(9.5,7.5) F24(10.5,7.5) F25(11.5,7.5) F26(12.5,7.5) G1(-12.5,6.5) G2(-11.5,6.5) G3(-10.5,6.5) G4(-9.5,6.5) G5(-8.5,6.5) G6(-7.5,6.5) G7(-6.5,6.5) G8(-5.5,6.5) G9(-4.5,6.5) G10(-3.5,6.5) G11(-2.5,6.5) G12(-1.5,6.5) G13(-0.5,6.5) G14(0.5,6.5) G15(1.5,6.5) G16(2.5,6.5) G17(3.5,6.5) G18(4.5,6.5) G19(5.5,6.5) G20(6.5,6.5) G21(7.5,6.5) G22(8.5,6.5) G23(9.5,6.5) G24(10.5,6.5) G25(11.5,6.5) G26(12.5,6.5) H1(-12.5,5.5) H2(-11.5,5.5) H3(-10.5,5.5) H4(-9.5,5.5) H5(-8.5,5.5) H6(-7.5,5.5) H7(-6.5,5.5) H8(-5.5,5.5) H9(-4.5,5.5) H10(-3.5,5.5) H11(-2.5,5.5) H12(-1.5,5.5) H13(-0.5,5.5) H14(0.5,5.5) H15(1.5,5.5) H16(2.5,5.5) H17(3.5,5.5) H18(4.5,5.5) H19(5.5,5.5) H20(6.5,5.5) H21(7.5,5.5) H22(8.5,5.5) H23(9.5,5.5) H24(10.5,5.5) H25(11.5,5.5) H26(12.5,5.5) J1(-12.5,4.5) J2(-11.5,4.5) J3(-10.5,4.5) J4(-9.5,4.5) J5(-8.5,4.5) J6(-7.5,4.5) J7(-6.5,4.5) J8(-5.5,4.5) J9(-4.5,4.5) J10(-3.5,4.5) J11(-2.5,4.5) J12(-1.5,4.5) J13(-0.5,4.5) J14(0.5,4.5) J15(1.5,4.5) J16(2.5,4.5) J17(3.5,4.5) J18(4.5,4.5) J19(5.5,4.5) J20(6.5,4.5) J21(7.5,4.5) J22(8.5,4.5) J23(9.5,4.5) J24(10.5,4.5) J25(11.5,4.5) J26(12.5,4.5) K1(-12.5,3.5) K2(-11.5,3.5) K3(-10.5,3.5) K4(-9.5,3.5) K5(-8.5,3.5) K6(-7.5,3.5) K7(-6.5,3.5) K8(-5.5,3.5) K9(-4.5,3.5) K10(-3.5,3.5) K11(-2.5,3.5) K12(-1.5,3.5) K13(-0.5,3.5) K14(0.5,3.5) K15(1.5,3.5) K16(2.5,3.5) K17(3.5,3.5) K18(4.5,3.5) K19(5.5,3.5) K20(6.5,3.5) K21(7.5,3.5) K22(8.5,3.5) K23(9.5,3.5) K24(10.5,3.5) K25(11.5,3.5) K26(12.5,3.5) L1(-12.5,2.5) L2(-11.5,2.5) L3(-10.5,2.5) L4(-9.5,2.5) L5(-8.5,2.5) L6(-7.5,2.5) L7(-6.5,2.5) L8(-5.5,2.5) L9(-4.5,2.5) L10(-3.5,2.5) L11(-2.5,2.5) L12(-1.5,2.5) L13(-0.5,2.5) L14(0.5,2.5) L15(1.5,2.5) L16(2.5,2.5) L17(3.5,2.5) L18(4.5,2.5) L19(5.5,2.5) L20(6.5,2.5) L21(7.5,2.5) L22(8.5,2.5) L23(9.5,2.5) L24(10.5,2.5) L25(11.5,2.5) L26(12.5,2.5) M1(-12.5,1.5) M2(-11.5,1.5) M3(-10.5,1.5) M4(-9.5,1.5) M5(-8.5,1.5) M6(-7.5,1.5) M7(-6.5,1.5) M8(-5.5,1.5) M9(-4.5,1.5) M10(-3.5,1.5) M11(-2.5,1.5) M12(-1.5,1.5) M13(-0.5,1.5) M14(0.5,1.5) M15(1.5,1.5) M16(2.5,1.5) M17(3.5,1.5) M18(4.5,1.5) M19(5.5,1.5) M20(6.5,1.5) M21(7.5,1.5) M22(8.5,1.5) M23(9.5,1.5) M24(10.5,1.5) M25(11.5,1.5) M26(12.5,1.5) N1(-12.5,0.5) N2(-11.5,0.5) N3(-10.5,0.5) N4(-9.5,0.5) N5(-8.5,0.5) N6(-7.5,0.5) N7(-6.5,0.5) N8(-5.5,0.5) N9(-4.5,0.5) N10(-3.5,0.5) N11(-2.5,0.5) N12(-1.5,0.5) N13(-0.5,0.5) N14(0.5,0.5) N15(1.5,0.5) N16(2.5,0.5) N17(3.5,0.5) N18(4.5,0.5) N19(5.5,0.5) N20(6.5,0.5) N21(7.5,0.5) N22(8.5,0.5) N23(9.5,0.5) N24(10.5,0.5) N25(11.5,0.5) N26(12.5,0.5) P1(-12.5,-0.5) P2(-11.5,-0.5) P3(-10.5,-0.5) P4(-9.5,-0.5) P5(-8.5,-0.5) P6(-7.5,-0.5) P7(-6.5,-0.5) P8(-5.5,-0.5) P9(-4.5,-0.5) P10(-3.5,-0.5) P11(-2.5,-0.5) P12(-1.5,-0.5) P13(-0.5,-0.5) P14(0.5,-0.5) P15(1.5,-0.5) P16(2.5,-0.5) P17(3.5,-0.5) P18(4.5,-0.5) P19(5.5,-0.5) P20(6.5,-0.5) P21(7.5,-0.5) P22(8.5,-0.5) P23(9.5,-0.5) P24(10.5,-0.5) P25(11.5,-0.5) P26(12.5,-0.5) R1(-12.5,-1.5) R2(-11.5,-1.5) R3(-10.5,-1.5) R4(-9.5,-1.5) R5(-8.5,-1.5) R6(-7.5,-1.5) R7(-6.5,-1.5) R8(-5.5,-1.5) R9(-4.5,-1.5) R10(-3.5,-1.5) R11(-2.5,-1.5) R12(-1.5,-1.5) R13(-0.5,-1.5) R14(0.5,-1.5) R15(1.5,-1.5) R16(2.5,-1.5) R17(3.5,-1.5) R18(4.5,-1.5) R19(5.5,-1.5) R20(6.5,-1.5) R21(7.5,-1.5) R22(8.5,-1.5) R23(9.5,-1.5) R24(10.5,-1.5) R25(11.5,-1.5) R26(12.5,-1.5) T1(-12.5,-2.5) T2(-11.5,-2.5) T3(-10.5,-2.5) T4(-9.5,-2.5) T5(-8.5,-2.5) T6(-7.5,-2.5) T7(-6.5,-2.5) T8(-5.5,-2.5) T9(-4.5,-2.5) T10(-3.5,-2.5) T11(-2.5,-2.5) T12(-1.5,-2.5) T13(-0.5,-2.5) T14(0.5,-2.5) T15(1.5,-2.5) T16(2.5,-2.5) T17(3.5,-2.5) T18(4.5,-2.5) T19(5.5,-2.5) T20(6.5,-2.5) T21(7.5,-2.5) T22(8.5,-2.5) T23(9.5,-2.5) T24(10.5,-2.5) T25(11.5,-2.5) T26(12.5,-2.5) U1(-12.5,-3.5) U2(-11.5,-3.5) U3(-10.5,-3.5) U4(-9.5,-3.5) U5(-8.5,-3.5) U6(-7.5,-3.5) U7(-6.5,-3.5) U8(-5.5,-3.5) U9(-4.5,-3.5) U10(-3.5,-3.5) U11(-2.5,-3.5) U12(-1.5,-3.5) U13(-0.5,-3.5) U14(0.5,-3.5) U15(1.5,-3.5) U16(2.5,-3.5) U17(3.5,-3.5) U18(4.5,-3.5) U19(5.5,-3.5) U20(6.5,-3.5) U21(7.5,-3.5) U22(8.5,-3.5) U23(9.5,-3.5) U24(10.5,-3.5) U25(11.5,-3.5) U26(12.5,-3.5) V1(-12.5,-4.5) V2(-11.5,-4.5) V3(-10.5,-4.5) V4(-9.5,-4.5) V5(-8.5,-4.5) V6(-7.5,-4.5) V7(-6.5,-4.5) V8(-5.5,-4.5) V9(-4.5,-4.5) V10(-3.5,-4.5) V11(-2.5,-4.5) V12(-1.5,-4.5) V13(-0.5,-4.5) V14(0.5,-4.5) V15(1.5,-4.5) V16(2.5,-4.5) V17(3.5,-4.5) V18(4.5,-4.5) V19(5.5,-4.5) V20(6.5,-4.5) V21(7.5,-4.5) V22(8.5,-4.5) V23(9.5,-4.5) V24(10.5,-4.5) V25(11.5,-4.5) V26(12.5,-4.5) W1(-12.5,-5.5) W2(-11.5,-5.5) W3(-10.5,-5.5) W4(-9.5,-5.5) W5(-8.5,-5.5) W6(-7.5,-5.5) W7(-6.5,-5.5) W8(-5.5,-5.5) W9(-4.5,-5.5) W10(-3.5,-5.5) W11(-2.5,-5.5) W12(-1.5,-5.5) W13(-0.5,-5.5) W14(0.5,-5.5) W15(1.5,-5.5) W16(2.5,-5.5) W17(3.5,-5.5) W18(4.5,-5.5) W19(5.5,-5.5) W20(6.5,-5.5) W21(7.5,-5.5) W22(8.5,-5.5) W23(9.5,-5.5) W24(10.5,-5.5) W25(11.5,-5.5) W26(12.5,-5.5) Y1(-12.5,-6.5) Y2(-11.5,-6.5) Y3(-10.5,-6.5) Y4(-9.5,-6.5) Y5(-8.5,-6.5) Y6(-7.5,-6.5) Y7(-6.5,-6.5) Y8(-5.5,-6.5) Y9(-4.5,-6.5) Y10(-3.5,-6.5) Y11(-2.5,-6.5) Y12(-1.5,-6.5) Y13(-0.5,-6.5) Y14(0.5,-6.5) Y15(1.5,-6.5) Y16(2.5,-6.5) Y17(3.5,-6.5) Y18(4.5,-6.5) Y19(5.5,-6.5) Y20(6.5,-6.5) Y21(7.5,-6.5) Y22(8.5,-6.5) Y23(9.5,-6.5) Y24(10.5,-6.5) Y25(11.5,-6.5) Y26(12.5,-6.5)
  silkscreen extent -13.6,-13.5 13.5,13.6, body extent -13.5,-13.5 13.5,13.5, height 3.24
CAP_0201 [mm]
  rrect25% 0.25x0.35 smd mask+0.05: 1(-0.275,0) 2(0.275,0)
  body extent -0.32,-0.17 0.31,0.16, height 0.34
CAP_0402 [mm]
  rrect25% 0.6x0.7 smd: 1(-0.5,0) 2(0.5,0)
  body extent -0.5,-0.26 0.5,0.26, height 0.37
CAP_0603 [mm]
  rrect25% 0.8x1 smd: 1(-0.75,0) 2(0.75,0)
  body extent -0.8,-0.4 0.8,0.4, height 0.51
CAP_0805 [mm]
  rrect25% 1.4x1.7 smd: 1(-1.143,0) 2(1.143,0)
  body extent -1.15,-0.76 1.15,0.79, height 1.01
CAP_1210 [mm]
  rrect25% 1.6x2.7 smd: 1(-1.4,0) 2(1.4,0)
  body extent -1.6,-1.25 1.6,1.25, height 2.5
CAPPM7344X310N [mm]
  rect 2.3x2.5 smd: 1(-3.1,0) 2(3.1,0)
  silkscreen extent -4.25,-2.17 3.65,2.17, body extent -3.65,-2.17 3.65,2.17, height 3.1
IND_0201 [mm]
  rrect50% 0.25x0.35 smd mask+0.05: 1(-0.3,0) 2(0.3,0)
  body extent -0.3,-0.15 0.3,0.15, height 0.42
IND_0402 [mm]
  rrect25% 0.6x0.7 smd: 1(-0.5,0) 2(0.5,0)
  body extent -0.56,-0.26 0.56,0.26, height 0.67
LED_0603_GREEN [mm]
  rrect25% 0.8x1 smd: A(0.75,0) K(-0.75,0)
  silkscreen extent -1.5,-0.8 -0.8,0.8, body extent -0.8,-0.4 0.8,0.4, height 0.6
QFN50P300X300X100-17N-D [mm]
  rect 0.8x0.3 smd mask+0.03: 1(-1.5,0.75) 2(-1.5,0.25) 3(-1.5,-0.25) 4(-1.5,-0.75) 9(1.5,-0.75) 10(1.5,-0.25) 11(1.5,0.25) 12(1.5,0.75)
  rect 0.3x0.8 smd mask+0.03: 5(-0.75,-1.5) 6(-0.25,-1.5) 7(0.25,-1.5) 8(0.75,-1.5) 13(0.75,1.5) 14(0.25,1.5) 15(-0.25,1.5) 16(-0.75,1.5)
  rect 1.75x1.75 smd mask+0.03: 17(0,0)
  silkscreen extent -2.02,1.38 -1.77,1.62, body extent -1.5,-1.5 1.5,1.5, height 1
QFN-32-5x5x0.85mm [mm]
  rect 0.8x0.26 smd mask+0.03: 1(-2.45,1.75) 2(-2.45,1.25) 3(-2.45,0.75) 4(-2.45,0.25) 5(-2.45,-0.25) 6(-2.45,-0.75) 7(-2.45,-1.25) 8(-2.45,-1.75) 17(2.45,-1.75) 18(2.45,-1.25) 19(2.45,-0.75) 20(2.45,-0.25) 21(2.45,0.25) 22(2.45,0.75) 23(2.45,1.25) 24(2.45,1.75)
  rect 0.26x0.8 smd mask+0.03: 9(-1.75,-2.45) 10(-1.25,-2.45) 11(-0.75,-2.45) 12(-0.25,-2.45) 13(0.25,-2.45) 14(0.75,-2.45) 15(1.25,-2.45) 16(1.75,-2.45) 25(1.75,2.45) 26(1.25,2.45) 27(0.75,2.45) 28(0.25,2.45) 29(-0.25,2.45) 30(-0.75,2.45) 31(-1.25,2.45) 32(-1.75,2.45)
  rect 3.2x3.2 smd mask+0.03: 33(0,0)
  silkscreen extent -3.47,-2.7 2.7,2.7, body extent -2.55,-2.55 2.55,2.55, height 1
QFN-40-0.4-EP [mm] "QFN 40 Pads 0.4mm Pitch Thermal Pad"
  rrect50% 0.8x0.2 smd mask+0.03: 1(-2.425,1.8) 2(-2.425,1.4) 3(-2.425,1) 4(-2.425,0.6) 5(-2.425,0.2) 6(-2.425,-0.2) 7(-2.425,-0.6) 8(-2.425,-1) 9(-2.425,-1.4) 10(-2.425,-1.8) 21(2.425,-1.8) 22(2.425,-1.4) 23(2.425,-1) 24(2.425,-0.6) 25(2.425,-0.2) 26(2.425,0.2) 27(2.425,0.6) 28(2.425,1) 29(2.425,1.4) 30(2.425,1.8)
  rrect50% 0.2x0.8 smd mask+0.03: 11(-1.8,-2.425) 12(-1.4,-2.425) 13(-1,-2.425) 14(-0.6,-2.425) 15(-0.2,-2.425) 16(0.2,-2.425) 17(0.6,-2.425) 18(1,-2.425) 19(1.4,-2.425) 20(1.8,-2.425) 31(1.8,2.425) 32(1.4,2.425) 33(1,2.425) 34(0.6,2.425) 35(0.2,2.425) 36(-0.2,2.425) 37(-0.6,2.425) 38(-1,2.425) 39(-1.4,2.425) 40(-1.8,2.425)
  rrect10% 3.7x3.7 smd mask+0.03: 41(0,0)
  silkscreen extent -3.14,-2.65 2.65,3.19, body extent -2.5,-2.5 2.5,2.5, height 0.9
RES_0201 [mm]
  rrect25% 0.25x0.35 smd mask+0.05: 1(-0.275,0) 2(0.275,0)
  body extent -0.3,-0.15 0.3,0.15, height 0.15
RES_0402 [mm]
  rrect25% 0.6x0.7 smd: 1(-0.5,0) 2(0.5,0)
  body extent -0.5,-0.25 0.5,0.25, height 0.3
RES_0603 [mm]
  rrect25% 0.8x1 smd: 1(-0.75,0) 2(0.75,0)
  body extent -0.8,-0.43 0.8,0.43, height 0.52
SOT95P280X145-5N [mm]
  rect 1.2x0.6 smd mask+0.03: 1(-1.25,0.95) 2(-1.25,0) 3(-1.25,-0.95) 4(1.25,-0.95) 5(1.25,0.95)
  silkscreen extent -1.85,-1.45 0.3,1.5, body extent -1.4,-1.45 1.4,1.45, height 1.2
TBAT54CLM [mm]
  rect 0.6x0.7 smd mask+0.03: 1(-0.95,-1) 2(0.95,-1) 3(0,1)
  silkscreen extent -1.45,-1.8 1.45,0.65, body extent -1.45,-1.2 1.45,1.2, height 0.95
TPS51200AQDRCRQ1 [mm]
  rect 0.6x0.24 smd mask+0.03: 1(-1.4,1) 2(-1.4,0.5) 3(-1.4,0) 4(-1.4,-0.5) 5(-1.4,-1) 6(1.4,-1) 7(1.4,-0.5) 8(1.4,0) 9(1.4,0.5) 10(1.4,1)
  rect 1.65x2.4 smd mask+0.03: 11(0,0)
  rect 0.25x0.5 smd mask+0.03: 12(-0.25,-1.45) 13(0.25,-1.45) 14(0.25,1.45) 15(-0.25,1.45)
  silkscreen extent -1.55,1.48 -1.45,1.57, body extent -1.5,-1.5 1.5,1.5, height 1
uDFN-10 [mm]
  rrect10% 0.2x0.5 smd mask+0: 29(-0.5,-0.35) 29(-0.5,0.35) 47(0.5,-0.35) 47(0.5,0.35) 56(1,-0.35) 56(1,0.35) 110(-1,-0.35) 110(-1,0.35)
  rrect10% 0.4x1.2 smd mask+0: 38(0,0)
  silkscreen extent -1.51,-0.87 -1,-0.2, body extent -1.25,-0.51 1.25,0.51, height 0.47
VLS3012 [mm]
  rect 1x3.4 smd mask+0.03: 1(-1.05,0) 2(1.05,0)
  silkscreen extent -0.25,-1.5 0.25,1.5, body extent -1.5,-1.51 1.5,1.51, height 1.2
XTAL_2520 [mm]
  rrect10% 0.9x0.8 smd mask+0: 1(-0.925,-0.725) 2(0.925,-0.725) 3(0.925,0.725) 4(-0.925,0.725)
  silkscreen extent -1.63,-1.37 -0.55,-0.36, body extent -1.25,-1 1.25,1, height 0.8